# Altium PCB Mirny.PcbDoc (part 7 of 8) (continued)
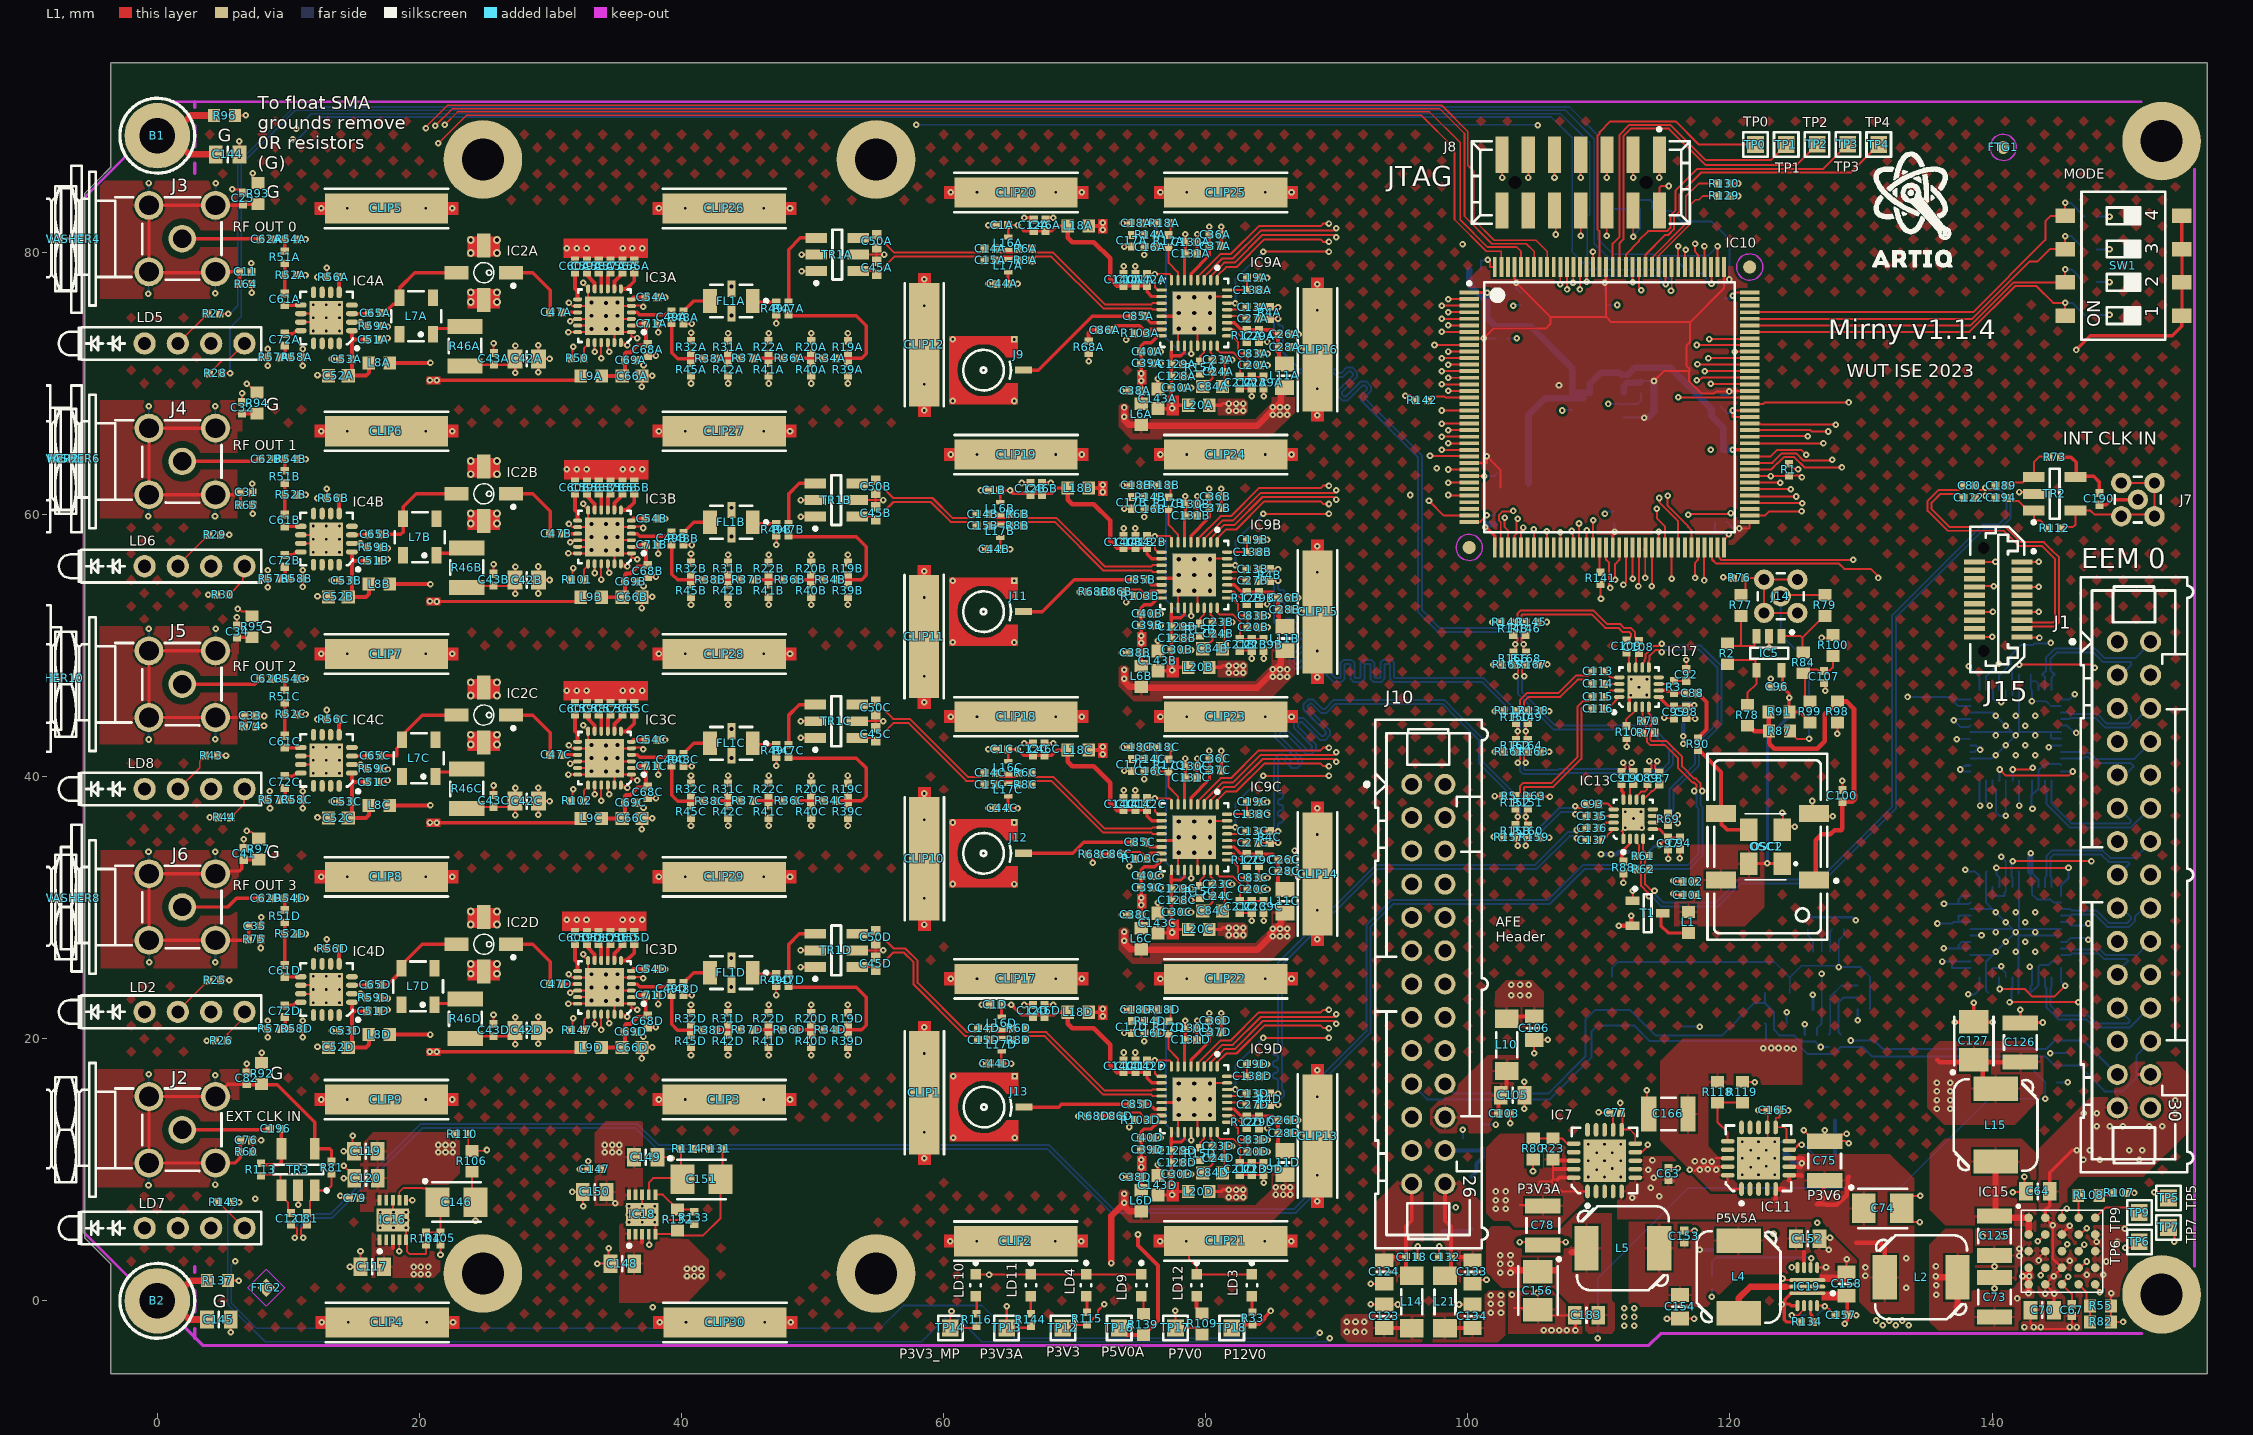
[diagram p0: L1 view]
## Nets (pads, with @x,y where several pads share a name; then routed paths per layer and width w, separated by ;. In a path a pad name is that pad's centre, name@x,y a point inside that pad or via, vN(x,y) a via of type N, cw(c..) or ccw(c..) an arc to the next point about the centre after c; other vN are vias at no path point) (continued)
VCOB_CLK0_P: C87.1 R165.2 R166.1 | length 19.7
  L1 w0.152: R165.2@103.52,48.52 103.717,48.324 103.746,48.324 103.835,48.234 103.835,47.969 103.831,47.965 103.831,47.918 103.67,47.757 v1(103.67,47.663) ; v1(114.465,41.186) 114.465,41.092 114.304,40.931 114.304,40.884 114.297,40.877 114.297,40.611 C87.1@114.605,40.303
  L6 w0.152: v1(103.67,47.663) 103.67,47.569 103.831,47.408 103.831,46.299 106.518,43.612 113.816,43.612 115.342,42.086 115.342,41.048 114.912,40.618 114.393,40.618 114.304,40.707 114.304,40.931 114.465,41.092 v1(114.465,41.186)
VCOB_CLK1_N: C91.1 R163.2 R164.1 | length 11
  L1 w0.152: R164.1@104.359,41.649 104.269,41.56 104.269,41.314 104.43,41.153 v1(104.43,41.059) ; R164.1@104.36,41.649 104.573,41.863 R164.1@104.573,41.883 ; C91.1@111.729,40.329 111.963,40.563 112.006,40.563 112.023,40.58 112.023,40.804 111.862,40.965 v1(111.862,41.059)
  L6 w0.152: v1(104.43,41.059) 104.43,40.965 104.269,40.804 104.269,40.58 104.359,40.491 106.861,40.491 106.946,40.577 111.722,40.577 111.808,40.491 111.934,40.491 112.023,40.58 112.023,40.804 111.862,40.965 v1(111.862,41.059)
VCOB_CLK1_P: C90.1 R161.2 R162.1 | length 12
  L1 w0.152: R162.1@103.66,41.883 103.68,41.883 103.964,41.599 103.964,41.314 103.803,41.153 v1(103.803,41.059) ; v1(112.489,41.059) 112.489,40.965 112.328,40.804 112.328,40.58 112.34,40.569 112.388,40.569 C90.1@112.622,40.335
  L6 w0.152: v1(103.803,41.059) 103.803,40.965 103.964,40.804 103.964,40.454 104.232,40.186 106.987,40.186 107.073,40.272 111.596,40.272 111.682,40.186 112.06,40.186 112.328,40.454 112.328,40.804 112.489,40.965 v1(112.489,41.059)
VCOB_CLK2_N: C135.1 R159.2 R160.1 | length 7.2
  L1 w0.152: v1(104.427,34.709) 104.427,35.191 R160.1@104.59,35.353 ; v1(108.192,37.119) 108.286,37.119 108.447,37.28 108.755,37.28 C135.1@109.057,36.978
  L6 w0.152: v1(104.427,34.709) 104.427,34.803 104.266,34.964 104.266,35.188 104.355,35.277 105.076,35.277 107.079,37.28 107.936,37.28 108.097,37.119 v1(108.192,37.119)
VCOB_CLK2_P: C93.1 R157.2 R158.1 | length 7.7
  L1 w0.152: R158.1@103.637,35.37 103.8,35.208 v1(103.8,34.709) ; v1(108.192,37.746) 108.286,37.746 108.447,37.585 108.755,37.585 C93.1@109.057,37.887
  L6 w0.152: v1(103.8,34.709) 103.8,34.803 103.961,34.964 103.961,35.314 104.229,35.582 104.95,35.582 106.953,37.585 107.936,37.585 108.097,37.746 v1(108.192,37.746)
pads on no net: FTG1.FTG2 FTG2.1 FTG3.1 FTG4.1 IC1.17 IC1.44 IC4A.4 IC4A.6 IC4A.7 IC4A.8 IC4A.13 IC4A.14 IC4A.15 IC4A.16 IC4B.4 IC4B.6 IC4B.7 IC4B.8 IC4B.13 IC4B.14 IC4B.15 IC4B.16 IC4C.4 IC4C.6 IC4C.7 IC4C.8 IC4C.13 IC4C.14 IC4C.15 IC4C.16 IC4D.4 IC4D.6 IC4D.7 IC4D.8 IC4D.13 IC4D.14 IC4D.15 IC4D.16 IC6.17 IC6.44 IC7.2 IC7.3 IC7.4 IC7.13 IC7.14 IC7.15 IC7.17 IC8.5 IC10.18 IC10.20 IC10.31 IC10.33 IC10.34 IC10.42 IC10.44 IC10.46 IC10.48 IC10.66 IC10.75 IC10.106 IC10.107 IC10.114 IC10.135 IC10.137 IC10.139 IC10.142 IC10.FTG1 IC10.FTG2 IC11.2 IC11.3 IC11.4 IC11.13 IC11.14 IC11.15 IC11.17 IC13.8 IC14.4 IC17.8 IC20.1 IC20.2 IC20.3 IC20.7 J8.12 J8.14 J8.15 J8.16 J15.3 J15.4 J15.5 J15.6 J15.9 J15.10 J15.11 J15.12 J15.16 J15.18 J15.P1 J15.P2 L7A.2 L7A.4 L7B.2 L7B.4 L7C.2 L7C.4 L7D.2 L7D.4

## Polygon pours and split planes (outlines as drawn)
no net on L3 "balancing" (solid, pour order 364): 2.528,91.463 155.424,91.463 155.424,-2.474 114.732,-2.474 113.78,-3.409 3.51,-3.409 2.54,-2.438 2.528,2.578 -2.997,2.578 -2.997,86.411 2.528,86.411
NetC73_2 on L3 "Top-No Net" (solid, remove dead copper, pour order 22): 134.944,3.238 134.944,0.126 135.331,-0.262 143.028,-0.262 143.444,0.154 143.444,5.077 143.032,5.488 137.194,5.488
P3V6 on L3 "P3V6_L03_P024" (solid, remove dead copper, pour order 24): 112.444,10.098 112.444,7.272 111.911,6.738 111.223,6.738 111.223,2.627 113.239,0.611 133.942,0.611 134.444,1.112 134.444,4.742 133.037,6.149 119.944,6.149 117.854,8.238 116.957,8.238 114.268,10.928 113.274,10.928
P5V0A on L3 "P5V0A_L03_P224" (solid, remove dead copper, pour order 224): 81.792,9.452 84.061,9.452 84.061,7.973 80.407,4.318 57.112,4.318 54.305,7.125 25.476,7.125 22.276,10.325 22.276,10.96 24.739,10.96 25.476,10.223 54.985,10.223 58.312,6.896 79.235,6.896
P12V0 on L3 "P12V0_L03_P348" (solid, remove dead copper, pour order 348): 101.647,0.999 101.111,0.462 101.111,-1.093 102.567,-2.55 114.301,-2.55 114.605,-2.248 133.972,-2.248 134.353,-1.867 134.353,-0.244 134.008,0.101 113.018,0.102 112.12,0.999
P3V3 on L3 "P3V3_L03_P026" (solid, remove dead copper, pour order 26): 116.442,9.949 116.442,15.159 121.638,20.355 124.26,20.355 124.874,19.74 124.871,17.903 119.595,12.627 119.595,9.981 119.199,9.585 116.806,9.585
P3V3A on L3 "P3V3A_L03_P028" (solid, remove dead copper, pour order 28): 84.906,7.719 86.983,7.719 88.443,9.179 88.443,67.072 86.483,69.031 84.926,69.031 84.616,68.721 84.616,8.009
P3V3A on L3 "P3V3A_L03_P278" (solid, remove dead copper, pour order 278): 73.668,27.216 71.695,29.189 71.695,42.461 71.886,42.652 72.393,42.651 72.584,42.461 72.584,29.722 74.171,28.134 74.171,27.47 73.918,27.216
P3V3A on L3 "P3V3A_L03_P290" (solid, remove dead copper, pour order 290): 73.671,7.214 71.695,9.189 71.695,22.461 71.886,22.652 72.393,22.651 72.584,22.461 72.584,9.722 74.171,8.134 74.172,7.502 73.883,7.214
P5V5A on L3 "P5V5A_L03_P156" (solid, remove dead copper, pour order 156): 19.159,1.885 19.159,-1.735 20.76,-3.335 87.113,-3.335 91.82,1.372 103.064,1.372 103.619,1.927 103.619,3.658 103.469,3.808 99.084,3.808 90.971,3.808 86.046,-1.116 23.408,-1.116 21.18,1.112 21.18,2.696 20.877,2.999 19.45,2.999 19.159,2.708
P3V3A on L3 "P3V3A_L03_P342" (solid, remove dead copper, pour order 342): 101.242,8.865 103.112,8.864 103.429,8.547 103.429,6.469 102.629,5.669 86.956,5.669 84.616,8.009 84.616,9.421 88.239,9.421 89.796,7.864 100.241,7.864
P5V0A on L3 "P5V0A_L03_P196" (solid, remove dead copper, pour order 196): 80.887,7.541 83.071,7.541 84.061,8.531 84.061,68.063 82.998,69.126 81.664,69.126 80.886,68.348
P5V0A on L3 "P5V0A_L03_P018" (solid, remove dead copper, pour order 18): 20.687,71.92 21.578,71.92 22.085,71.412 22.086,13.621 24.753,10.954 24.752,9.869 24.466,9.582 23.019,9.582 20.462,12.139 20.462,71.694
P7V0A on L3 "P7V0A_L03_P030" (solid, remove dead copper, pour order 30): 26.896,73.238 28.117,73.238 28.616,72.739 28.616,19.072 32.847,14.841 35.611,12.077 35.611,11.165 35.406,10.96 34.024,10.96 31.663,13.32 26.4,18.583 26.4,72.742
P3V3A on L3 "P3V3A_L03_P266" (solid, remove dead copper, pour order 266): 73.666,47.218 71.695,49.189 71.695,62.461 71.886,62.652 72.393,62.651 72.584,62.461 72.584,49.722 74.171,48.134 74.172,47.472 73.917,47.218
P5V0_VPD on L3 "P5V0_VPD_L03_P296" (solid, remove dead copper, pour order 296): 77.061,7.792 77.791,7.792 77.791,13.126 77.347,13.571 77.346,16.936 78.807,18.397 78.807,21.509 78.585,21.731 78.298,21.731 78.108,21.541 78.108,18.755 76.585,17.231 76.584,13.127 77.061,12.65
P3V3_AVDD1D on L3 "P3V3_AVDD1D_L03_P294" (solid, remove dead copper, pour order 294): 75.505,18.184 75.505,10.148 75.262,9.906 74.866,9.906 74.679,10.092 74.68,18.587 75.759,19.667 75.759,20.71 77.701,22.652 80.077,22.651 80.649,22.08 80.648,21.826 80.458,21.635 80.14,21.635 79.76,22.016 78.108,22.016 76.33,20.238 76.332,19.011
P5V0_VPC on L3 "P5V0_VPC_L03_P284" (solid, remove dead copper, pour order 284): 77.061,27.792 77.791,27.792 77.791,33.126 77.347,33.571 77.346,36.936 78.807,38.397 78.807,41.509 78.585,41.731 78.298,41.731 78.108,41.541 78.108,38.755 76.585,37.231 76.584,33.127 77.061,32.65
P3V3_AVDD1C on L3 "P3V3_AVDD1C_L03_P282" (solid, remove dead copper, pour order 282): 75.505,38.184 75.505,30.148 75.262,29.906 74.866,29.906 74.679,30.092 74.68,38.587 75.759,39.667 75.759,40.71 77.701,42.652 80.077,42.651 80.649,42.08 80.648,41.826 80.458,41.635 80.14,41.635 79.76,42.016 78.108,42.016 76.33,40.238 76.332,39.011
P5V0_VPB on L3 "P5V0_VPB_L03_P272" (solid, remove dead copper, pour order 272): 77.061,47.792 77.791,47.792 77.791,53.126 77.347,53.571 77.346,56.936 78.807,58.397 78.807,61.509 78.585,61.731 78.298,61.731 78.108,61.541 78.108,58.755 76.585,57.231 76.584,53.127 77.061,52.65
P3V3_AVDD1B on L3 "P3V3_AVDD1B_L03_P270" (solid, remove dead copper, pour order 270): 75.505,58.184 75.505,50.148 75.262,49.906 74.866,49.906 74.679,50.092 74.68,58.588 75.759,59.667 75.759,60.71 77.701,62.652 80.077,62.652 80.649,62.08 80.648,61.826 80.458,61.636 80.14,61.636 79.76,62.016 78.108,62.016 76.33,60.238 76.332,59.011
P3V3A on L3 "P3V3A_L03_P262" (solid, remove dead copper, pour order 262): 73.663,67.221 71.695,69.189 71.695,82.461 71.886,82.652 72.393,82.651 72.584,82.461 72.584,69.722 74.171,68.134 74.172,67.475 73.917,67.221
P3V3_AVDD1A on L3 "P3V3_AVDD1A_L03_P010" (solid, remove dead copper, pour order 10): 75.505,78.184 75.505,70.148 75.262,69.906 74.866,69.906 74.679,70.092 74.68,78.588 75.759,79.667 75.759,80.71 77.701,82.652 80.077,82.652 80.649,82.08 80.648,81.826 80.458,81.636 80.14,81.636 79.76,82.016 78.108,82.016 76.33,80.238 76.332,79.011
P5V0_VPA on L3 "P5V0_VPA_L03_P192" (solid, remove dead copper, pour order 192): 77.061,67.792 77.791,67.792 77.791,73.126 77.347,73.571 77.346,76.936 78.807,78.397 78.807,81.509 78.585,81.731 78.298,81.731 78.108,81.541 78.108,78.755 76.585,77.231 76.584,73.127 77.061,72.65
no net on L1 "balancing" (solid, pour order 367): 2.528,91.463 155.424,91.463 155.424,-2.474 114.732,-2.474 113.78,-3.409 3.51,-3.409 2.54,-2.438 2.528,2.578 -2.997,2.578 -2.997,86.411 2.528,86.411
SG0 on L1 "SG0_L01_P314" (solid, remove dead copper, pour order 314): 6.267,8.664 -4.551,8.664 -4.551,17.164 -4.551,17.664 6.267,17.664
SG4 on L1 "SG4_L01_P312" (solid, remove dead copper, pour order 312): 6.203,25.367 -4.32,25.367 -4.32,33.867 -4.32,34.367 6.203,34.367
SG3 on L1 "SG3_L01_P308" (solid, remove dead copper, pour order 308): 6.224,42.46 -4.39,42.46 -4.39,50.96 -4.39,51.46 6.224,51.46
SG2 on L1 "SG2_L01_P306" (solid, remove dead copper, pour order 306): 6.472,59.698 -4.337,59.698 -4.337,68.198 -4.337,68.698 6.472,68.698
SG1 on L1 "SG1_L01_P304" (solid, remove dead copper, pour order 304): 6.448,76.455 -4.372,76.455 -4.372,84.955 -4.372,85.455 6.448,85.455
GND on L1 "GND_L01_P058" (solid, remove dead copper, pour order 58): 138.734,5.5 144.473,5.5 144.473,2.749 144.223,2.749 142.195,2.749 142.067,2.641 142.077,2.631 141.973,2.527 141.973,1.69 141.544,1.217 138.734,1.212
NetC73_2 on L1 "NETC73_2_L01_P060" (solid, remove dead copper, pour order 60): 136.431,5.502 138.534,5.502 138.534,2.749 138.534,0.813 141.438,0.813 141.898,1.273 141.898,2.452 142.195,2.749 143.221,2.749 143.223,-0.001 142.195,-0.001 142.209,-2.489 136.112,-2.489 135.219,-1.596 135.219,4.29
P12V0 on L1 "L1-P12V0" (solid, remove dead copper, pour order 365): 154.991,12.924 154.991,14.93 154.991,15.514 154.991,17.258 154,18.249 150.85,18.249 149.339,16.738 149.339,15.514 147.498,15.514 143.494,11.51 143.494,7.145 143.723,6.916 143.723,5.499 144.473,5.499 144.473,1.999 143.723,1.999 143.473,1.749 143.473,0.999 143.473,0.532 143.834,0.171 143.834,-0.709 143.834,-1.527 144.252,-1.945 145.298,-1.945 145.624,-1.619 145.584,-1.579 145.584,0.305 144.973,0.916 144.973,1.499 145.223,1.749 145.723,1.749 146.473,2.499 146.473,5.249 145.723,5.999 145.723,8.551 146.624,9.453 151.534,9.453 154.991,12.909
NetC125_2 on L1 "NETC125_2_L01_P302" (solid, remove dead copper, pour order 302): 142.594,4.801 141.626,5.768 136.425,5.768 135.242,6.951 135.243,11.212 136.388,12.357 142.281,12.357 143.36,11.278 143.36,5.115 143.046,4.801
P3V6 on L1 "P3V6_L01_P050" (solid, remove dead copper, pour order 50): 115.593,11.044 118.498,8.138 120.544,8.138 120.908,7.775 123.134,7.775 123.134,11.185 132.2,11.185 134.044,9.341 134.044,-0.991 130.794,-0.991 129.884,-0.081 129.884,3.169 126.822,6.231 111.41,6.231 111.41,11.044
GND on L1 "GND_L01_P048" (solid, remove dead copper, pour order 48): 150.368,5.749 150.368,-2.489 142.209,-2.489 142.209,0 145.757,0 146.257,0.5 146.257,4.284 147.723,5.749 149.223,5.749
P5V5 on L1 "P5V5_L01_P062" (solid, remove dead copper, pour order 62): 112.259,6.099 126.369,6.099 126.369,2.032 120.753,2.032 118.63,-0.09 118.263,-0.457 112.259,-0.457
P7V5 on L1 "P7V5_L01_P042" (solid, remove dead copper, pour order 42): 35.258,5.865 35.258,-0.13 40.388,-0.13 42.07,1.552 42.07,3.137 39.347,5.859
NetC96_2 on L1 "NETC96_2_L01_P250" (solid, remove dead copper, pour order 250): 116.954,34.812 116.954,31.597 115.748,30.391 115.748,28.565 121.145,28.565 122.606,30.025 122.606,34.153 121.947,34.812
P3V3 on L1 "P3V3_L01_P038" (solid, remove dead copper, pour order 38): 101.464,78.934 120.304,78.934 120.554,78.684 121.304,77.934 121.304,76.184 121.304,58.684 121.054,58.434 120.304,57.684 119.304,57.684 101.554,57.684 100.304,58.934 100.054,59.184 100.054,59.684 100.054,77.934 100.804,78.684 101.054,78.934 101.464,78.934
GND on L1 "GND_L01_P366" (solid, pour order 366): 123.27,1.508 129.746,1.508 129.746,3.128 127.278,5.595 126.288,5.595 126.149,5.456 126.149,2.225 123.351,2.225 123.323,2.197
P3V3A on L1 "P3V3A_L01_P300" (solid, remove dead copper, pour order 300): 74.615,7.285 83.789,7.285 85.026,8.522 85.027,10.078 86.776,10.078 86.776,7.767 84.976,5.967 74.18,5.967 73.346,6.801 73.346,8.3 73.511,8.465 73.985,8.465 74.177,8.273 74.177,7.723
P5V0A on L1 "P5V0A_L01_P194" (solid, remove dead copper, pour order 194): 81.611,67.582 82.927,67.582 83.189,67.844 83.189,68.607 82.95,68.845 80.232,68.845 79.823,68.436 79.823,67.582
P3V3A on L1 "P3V3A_L01_P096" (solid, remove dead copper, pour order 96): 74.615,67.285 83.789,67.285 85.026,68.522 85.027,70.079 86.776,70.079 86.776,67.767 84.763,65.754 74.277,65.754 73.346,66.685 73.346,68.3 73.511,68.465 73.985,68.465 74.177,68.273 74.177,67.723
P5V0A on L1 "P5V0A_L01_P298" (solid, remove dead copper, pour order 298): 81.611,7.582 82.927,7.582 83.189,7.844 83.189,8.607 82.95,8.845 80.232,8.845 79.823,8.436 79.823,7.856 81.338,7.856
P5V0A on L1 "P5V0A_L01_P254" (solid, remove dead copper, pour order 254): 20.119,6.8 23.061,9.741 23.06,12.726 22.934,12.853 16.485,12.853 15.503,11.87 15.503,6.8
P5V5A on L1 "P5V5A_L01_P154" (solid, remove dead copper, pour order 154): 16.345,3.06 16.345,1.759 21.099,1.759 21.607,2.267 21.608,4.756 21.168,5.195 16.345,5.196
P7V0A on L1 "P7V0A_L01_P056" (solid, remove dead copper, pour order 56): 33.371,7.253 37.022,7.253 37.022,13.693 34.225,13.693 33.371,12.839
P5V0A on L1 "P5V0A_L01_P274" (solid, remove dead copper, pour order 274): 81.611,47.582 82.927,47.582 83.189,47.844 83.189,48.607 82.95,48.845 80.232,48.845 79.823,48.436 79.823,47.582
P5V0A on L1 "P5V0A_L01_P286" (solid, remove dead copper, pour order 286): 81.611,27.582 82.927,27.582 83.189,27.844 83.189,28.607 82.95,28.845 80.232,28.845 79.823,28.436 79.823,27.856 81.338,27.856
P3V3A on L1 "P3V3A_L01_P288" (solid, remove dead copper, pour order 288): 74.615,27.285 83.789,27.285 85.026,28.522 85.027,30.078 86.776,30.078 86.776,27.767 84.726,25.717 74.399,25.717 73.346,26.77 73.346,28.3 73.511,28.465 73.985,28.465 74.177,28.273 74.177,27.723
P3V3A on L1 "P3V3A_L01_P276" (solid, remove dead copper, pour order 276): 74.615,47.285 83.789,47.285 85.026,48.522 85.027,50.079 86.776,50.079 86.776,47.767 84.743,45.734 74.511,45.734 73.346,46.899 73.346,48.3 73.511,48.465 73.985,48.465 74.177,48.273 74.177,47.723
P3V3 on L1 "L1-P3V3" (solid, remove dead copper, pour order 362): 125.527,19.977 116.383,19.977 114.668,18.263 114.669,12.264 117.935,8.997 118.639,8.294 121.044,8.294 121.044,11.044 119.084,11.044 118.351,11.776 118.352,16.484 125.527,16.485
NetC118_2 on L1 "NETC118_2_L01_P320" (solid, remove dead copper, pour order 320): 96.608,1.224 96.608,9.183 96.018,9.773 95.219,9.773 92.925,7.48 92.925,2.198 94.473,2.198 94.473,1.249
NetC132_2 on L1 "NETC132_2_L01_P318" (solid, remove dead copper, pour order 318): 97.37,1.224 97.37,9.183 97.96,9.773 98.759,9.773 101.053,7.48 101.053,1.812 99.79,1.812 99.79,1.253
P3V3A on L1 "P3V3A_L01_P054" (solid, remove dead copper, pour order 54): 102.458,12.738 110.644,12.738 110.644,11.175 109.369,11.175 109.43,8.171 106.885,5.626 103.581,5.626 103.106,6.093 101.974,6.092 101.387,6.679 101.387,11.667 102.3,12.58
P5V5A on L1 "P5V5A_L01_P052" (solid, remove dead copper, pour order 52): 102.595,0.999 105.723,0.999 106.544,0.999 107.044,0.499 108.973,-1.43 108.973,-1.945 108.973,-2.239 109.223,-2.489 109.235,-2.501 109.723,-2.501 110.973,-2.501 111.223,-2.251 111.223,-0.199 110.973,0.051 110.973,6.688 108.285,6.688 106.982,5.386 103.477,5.386 103.169,5.689 101.815,5.689 101.397,5.271 101.397,2.197
P12V0 on L1 "P12V0_L01_P326" (solid, remove dead copper, pour order 326): 101.304,-0.9 101.304,0.448 101.606,0.749 102.701,0.749 102.953,0.497 102.953,-2.523 102.299,-3.177 97.306,-3.177 97.306,-0.9
NetC103_2 on L1 "NETC103_2_L01_P350" (solid, remove dead copper, pour order 350): 103.874,18.755 103.874,16.855 103.27,16.252 103.27,15.098 102.64,14.467 102.64,13.856 101.569,12.785 97.831,12.785 97.143,13.473 97.143,14.614 97.781,15.252 98.003,15.252 101.506,18.755
P7V5 on L1 "P7V5_L01_P322" (solid, remove dead copper, pour order 322): 92.316,-1.012 90.686,-1.012 90.285,-1.413 90.285,-2.644 90.818,-3.177 96.439,-3.177 96.671,-2.945 96.671,-1.012
P3V3 on L1 "P3V3_L01_P349" (solid, remove dead copper, pour order 349): 102.066,20.856 105.46,20.856 105.779,21.175 105.779,23.59 104.923,24.445 102.928,24.445 102.073,23.59
P7V5 on L1 "P7V5_L01_P158" (solid, remove dead copper, pour order 158): 135.052,14.719 135.052,18.865 135.968,19.787 142.733,19.786 143.896,18.623 143.896,15.613 141.721,13.438 136.333,13.438
GND on L1 "GND_L01_P070" (solid, remove dead copper, pour order 70): 103.08,0.749 106.473,0.749 106.723,0.499 106.794,0.499 106.812,0.499 107.473,-0.162 108.723,-1.412 108.723,-2.062 108.723,-2.489 108.711,-2.501 103.08,-2.501
no net on L6 "balancing" (solid, pour order 360): 2.528,91.463 155.424,91.463 155.424,-2.474 114.732,-2.474 113.78,-3.409 3.51,-3.409 2.54,-2.438 2.528,2.578 -2.997,2.578 -2.997,86.411 2.528,86.411
P12V0 on L6 "P12V0_L06_P258" (solid, remove dead copper, pour order 258): 141.283,9.811 150.124,18.249 154.017,18.249 154.991,17.275 154.991,12.844 146.968,4.821 136.694,4.821 134.354,2.481 134.353,-1.74 133.845,-2.248 131.042,-2.248 114.605,-2.248 113.653,-3.201 112.017,-3.201 111.366,-2.55 111.366,-0.54 111.735,-0.172 122.616,-0.172 127.609,4.821 130.546,4.821 135.537,9.811
NetC73_2 on L6 "NETC73_2_L06_P002" (solid, remove dead copper, pour order 2): 135.317,-0.135 142.571,-0.135 143.244,0.538 143.244,2.449 142.163,3.531 135.968,3.531 134.694,2.257 134.694,1.988 134.694,0.488
GND on L6 "GND_L06_P240" (solid, remove dead copper, pour order 240): 56.056,65.754 56.055,51.75 6.992,51.75 6.992,65.754
GND on L6 "GND_L06_P242" (solid, remove dead copper, pour order 242): 56.056,82.634 56.055,68.63 6.992,68.63 6.992,82.634
GND on L6 "GND_L06_P238" (solid, remove dead copper, pour order 238): 56.056,48.875 56.055,34.871 6.992,34.871 6.992,48.875
GND on L6 "GND_L06_P236" (solid, remove dead copper, pour order 236): 56.056,30.445 56.055,16.441 6.992,16.441 6.992,30.445
P7V5 on L6 "P7V5_L06_P346" (solid, remove dead copper, pour order 346): 137.275,17.042 137.275,14.279 136.496,13.5 111.41,13.5 108.509,10.599 108.509,-0.085 105.416,-3.177 90.818,-3.177 90.285,-2.644 90.285,-1.118 90.793,-0.61 103.157,-0.61 104.89,1.122 104.889,12.357 110.223,17.691 136.625,17.691
P1V8D on L6 "Top-No Net" (solid, remove dead copper, pour order 102): 99.116,79.869 122.484,79.869 122.484,56.501 122.281,56.501 99.091,56.501
P7V5 on L6 "L6-P7V5A" (solid, pour order 104): 40.056,4.724 40.056,1.753 40.31,1.499 41.694,1.498 42.018,1.822 42.018,3.963 44.761,6.706 60.948,6.706 67.369,0.284 87.356,0.284 90.285,-2.644 92.488,-2.644 92.488,-0.616 89.421,2.451 68.516,2.451 62.229,8.737 44.069,8.738
P5V5A on L6 "P5V5A_L06_P336" (solid, remove dead copper, pour order 336): 101.423,6.174 97.599,6.174 97.243,5.818 97.243,3.43 98.891,1.782 103.475,1.782 103.691,1.999 103.691,3.905
P12V0 on L6 "P12V0_L06_P356" (solid, remove dead copper, pour order 356): 143.974,0.102 145.136,0.102 146.473,1.438 146.473,4.326 149.043,6.896 141.398,6.896 144.196,4.098 144.196,1.448 143.752,1.003 143.751,0.323
NetC110_2 on L6 "NETC110_2_L06_P330" (solid, remove dead copper, pour order 330): 99.402,8.802 101.18,8.802 101.18,10.175 101.815,10.81 101.815,11.977 101.624,12.168 100.278,12.168 99.884,11.773 97.991,11.773 97.497,11.279 97.497,10.682 97.979,10.199 98.767,10.199 99.402,9.564
GND on L4 "GND_L04_P371" (solid, remove dead copper, pour order 371): -3.556,93.853 99.896,93.853 99.896,53.932 88.295,53.932 82.896,48.533 82.896,6.064 83.902,5.058 100.829,5.058 100.896,5.125 100.896,-5.147 -3.556,-5.147
P3V3 on L4 "P3V3_L04_P368" (solid, remove dead copper, pour order 368): 100.396,53.853 107.981,53.853 109.56,52.274 109.639,52.353 120.96,52.353 121.96,51.353 130.239,51.353 132.896,48.696 132.896,28.91 128.09,24.105 108.748,24.105 107,25.853 101.923,25.853 101.235,25.165 101.235,-4.647 155.896,-4.647 155.896,93.853 100.396,93.853
P3V3A on L4 "P3V3A_L04_P369" (solid, remove dead copper, pour order 369): 107.832,53.392 109.371,51.853 120.622,51.853 121.473,51.002 129.987,51.002 132.535,48.455 132.535,29.117 128.271,24.853 109.152,24.853 107.652,26.353 101.74,26.353 100.896,25.509 100.896,5.451 84.298,5.451 83.506,6.243 83.506,48.092 88.806,53.392
GND on P5 (split plane): 155.928,-5.04 -3.046,-5.04 -3.046,2.808 -3.055,2.908 -3.084,3.003 -3.132,3.092 -3.195,3.169 -5.046,5.02 -5.046,77.513 -5.046,84.277 -4.195,85.127 -3.195,86.127 -3.132,86.205 -3.084,86.293 -3.055,86.389 -3.046,86.488 -3.046,93.978 155.928,93.978
GND on P2 (split plane): 155.928,-5.04 -3.046,-5.04 -3.046,2.808 -3.055,2.908 -3.084,3.003 -3.132,3.092 -3.195,3.169 -5.046,5.02 -5.046,77.513 -5.046,84.277 -4.195,85.127 -3.195,86.127 -3.132,86.205 -3.084,86.293 -3.055,86.389 -3.046,86.488 -3.046,93.978 155.928,93.978

## Keep-outs
L1:
  lines w0.254: 2.848,-2.85 2.848,-2.11 ; 2.848,2.179 2.848,2.591 ; 2.848,86.05 2.848,86.791 ; 2.848,91.079 2.848,91.491 ; 2.873,-0.844 2.873,0.757 ; 2.873,88.057 2.873,89.657
Keep-Out Layer:
  drawing of 8326 lines, arcs and shapes, not listed

## Other copper
L1:
  rectangle net NetIC19_2: 123.861,0.903 124.676,1.251
  rectangle net P12V0: 126.988,0.038 129.083,0.673
  rectangle net GND: 126.838,1.435 128.956,2.013
  rectangle net GND: 30.988,79.561 37.439,81.058
  rectangle net GND: 31.019,62.677 37.47,64.175
  rectangle net GND: 31.003,45.792 37.454,47.289
  rectangle net GND: 30.878,28.21 37.329,29.707
  rectangle net GND: 47.842,-2.141 48.841,-1.141
  rectangle net GND: 37.842,-2.141 38.842,-1.141
  rectangle net GND: 22.061,-2.141 23.06,-1.141
  rectangle net GND: 12.061,-2.141 13.061,-1.141
  rectangle net GND: 11.997,14.859 12.997,15.859
  rectangle net GND: 21.997,14.859 22.997,15.859
  rectangle net GND: 37.778,14.859 38.778,15.859
  rectangle net GND: 47.778,14.859 48.778,15.859
  rectangle net GND: 11.997,31.859 12.997,32.859
  rectangle net GND: 21.997,31.859 22.997,32.859
  rectangle net GND: 37.778,31.859 38.778,32.859
  rectangle net GND: 47.778,31.859 48.778,32.859
  rectangle net GND: 47.778,48.859 48.778,49.859
  rectangle net GND: 37.778,48.859 38.778,49.859
  rectangle net GND: 21.997,48.859 22.997,49.859
  rectangle net GND: 11.997,48.859 12.997,49.859
  rectangle net GND: 47.778,65.859 48.778,66.859
  rectangle net GND: 37.778,65.859 38.778,66.859
  rectangle net GND: 21.997,65.859 22.997,66.859
  rectangle net GND: 11.997,65.859 12.997,66.859
  rectangle net GND: 11.997,82.859 12.997,83.859
  rectangle net GND: 21.997,82.859 22.997,83.859
  rectangle net GND: 37.778,82.859 38.778,83.859
  rectangle net GND: 47.778,82.859 48.778,83.859
  rectangle net GND: 70.013,4.058 71.013,5.058
  rectangle net GND: 60.013,4.058 61.013,5.058
  rectangle net GND: 70.043,84.076 71.043,85.076
  rectangle net GND: 60.043,84.076 61.043,85.076
  region net GND: 58.035,39.21 58.035,38.21 59.035,38.21 59.035,39.21
  region net GND: 58.035,29.21 58.035,28.21 59.035,28.21 59.035,29.21
  region net GND: 58.022,46.164 58.022,45.164 59.022,45.164 59.022,46.164
  region net GND: 58.021,56.164 58.021,55.164 59.021,55.164 59.021,56.164
  region net GND: 89.019,7.082 89.019,8.082 88.019,8.082 88.019,7.082
  region net GND: 89.019,17.082 89.019,18.082 88.019,18.082 88.019,17.082
  region net GND: 77.013,5.058 76.013,5.058 76.013,4.058 77.013,4.058
  region net GND: 87.013,5.058 86.013,5.058 86.013,4.058 87.013,4.058
  region net GND: 58.035,11.366 58.035,10.366 59.035,10.366 59.035,11.366
  region net GND: 58.035,21.366 58.035,20.366 59.035,20.366 59.035,21.366
  rectangle net GND: 70.043,24.076 71.043,25.076
  rectangle net GND: 60.043,24.076 61.043,25.076
  rectangle net GND: 86.043,24.076 87.043,25.076
  rectangle net GND: 76.043,24.076 77.043,25.076
  rectangle net GND: 76.043,44.076 77.043,45.076
  rectangle net GND: 86.043,44.076 87.043,45.076
  rectangle net GND: 60.043,44.076 61.043,45.076
  rectangle net GND: 70.043,44.076 71.043,45.076
  region net GND: 89.019,37.082 89.019,38.082 88.019,38.082 88.019,37.082
  region net GND: 89.019,27.082 89.019,28.082 88.019,28.082 88.019,27.082
  rectangle net GND: 76.043,64.076 77.043,65.076
  rectangle net GND: 86.043,64.076 87.043,65.076
  rectangle net GND: 60.043,64.076 61.043,65.076
  rectangle net GND: 70.043,64.076 71.043,65.076
  region net GND: 89.019,57.082 89.019,58.082 88.019,58.082 88.019,57.082
  region net GND: 89.019,47.082 89.019,48.082 88.019,48.082 88.019,47.082
  rectangle net GND: 76.043,84.076 77.043,85.076
  rectangle net GND: 86.043,84.076 87.043,85.076
  region net GND: 89.019,77.082 89.019,78.082 88.019,78.082 88.019,77.082
  region net GND: 89.019,67.082 89.019,68.082 88.019,68.082 88.019,67.082
  region net GND: 58.028,78.438 58.028,77.438 59.028,77.438 59.028,78.438
  region net GND: 58.028,68.438 58.028,67.438 59.028,67.438 59.028,68.438
  rectangle net RFSW_CTRL0: 15.505,74.449 15.987,74.678
  rectangle net GND: 23.667,75.703 26.167,77.203
  rectangle net GND: 23.667,79.703 26.167,81.203
  rectangle net RFSW_CTRL1: 15.505,57.57 15.987,57.798
  rectangle net GND: 23.667,58.824 26.167,60.324
  rectangle net GND: 23.667,62.824 26.167,64.324
  rectangle net RFSW_CTRL2: 15.505,40.691 15.987,40.919
  rectangle net GND: 23.667,41.945 26.167,43.445
  rectangle net GND: 23.667,45.945 26.167,47.445
  rectangle net RFSW_CTRL3: 15.503,23.203 15.985,23.432
  rectangle net GND: 23.665,24.457 26.165,25.957
  rectangle net GND: 23.665,28.457 26.165,29.957
  rectangle net P5V0A: 20.523,69.92 21.598,70.545
  rectangle net P5V0A: 20.523,53.041 21.598,53.666
  rectangle net P5V0A: 20.523,36.162 21.598,36.787
  rectangle net P5V0A: 20.521,18.674 21.596,19.299
  pour cut-out: 60.93,8.845 73.228,8.845 73.228,48.633 60.93,48.633
  pour cut-out: 58.051,83.731 58.051,44.688 72.778,44.688 72.778,83.731
  pour cut-out: 48.767,0.488 54.61,6.331 56.649,6.331 58.471,8.153 58.471,11.591 56.383,13.679 45.736,13.679 43.358,11.302 43.358,1.441 44.311,0.488
  pour cut-out: 4.946,9.047 7.354,6.639 7.354,2.849 8.444,1.759 12.434,1.759 13.958,3.283 13.958,13.237 11.672,15.523 11.49,15.342 4.946,15.342
  pour cut-out: 58.528,32.359 58.528,17.664 6.084,17.664 6.084,32.359
  pour cut-out: 58.528,49.359 58.528,34.664 6.084,34.664 6.084,49.359
  pour cut-out: 58.528,66.359 58.528,51.664 6.084,51.664 6.084,66.359
  pour cut-out: 58.528,83.359 58.528,68.664 6.084,68.664 6.084,83.359
  region net P5V0_VPD: 77.029,9.058 77.029,7.582 77.936,7.582 77.936,9.058
  region net P5V0_VPC: 77.029,29.058 77.029,27.582 77.936,27.582 77.936,29.058
  region net P5V0_VPB: 77.029,49.058 77.029,47.582 77.936,47.582 77.936,49.058
  region net P3V3_AVDD1D: 74.766,11.022 74.766,9.938 75.441,9.938 75.441,11.022
  region net P3V3A: 71.799,22.527 71.799,21.442 72.474,21.442 72.474,22.527
  region net P3V3_AVDD1C: 74.766,31.022 74.766,29.938 75.441,29.938 75.441,31.022
  region net P3V3A: 71.799,42.527 71.799,41.442 72.474,41.442 72.474,42.527
  region net P3V3_AVDD1B: 74.766,51.022 74.766,49.938 75.441,49.938 75.441,51.022
  region net P3V3A: 71.799,62.527 71.799,61.442 72.474,61.442 72.474,62.527
  region net P3V3A: 71.799,82.527 71.799,81.442 72.474,81.442 72.474,82.527
  region net P3V3_AVDD1A: 74.766,71.022 74.766,69.938 75.441,69.938 75.441,71.022
  region net P5V0_VPA: 77.029,69.058 77.029,67.582 77.936,67.582 77.936,69.058